# KiCad board RP2040-Breadstick Panel.kicad_pcb (continued)
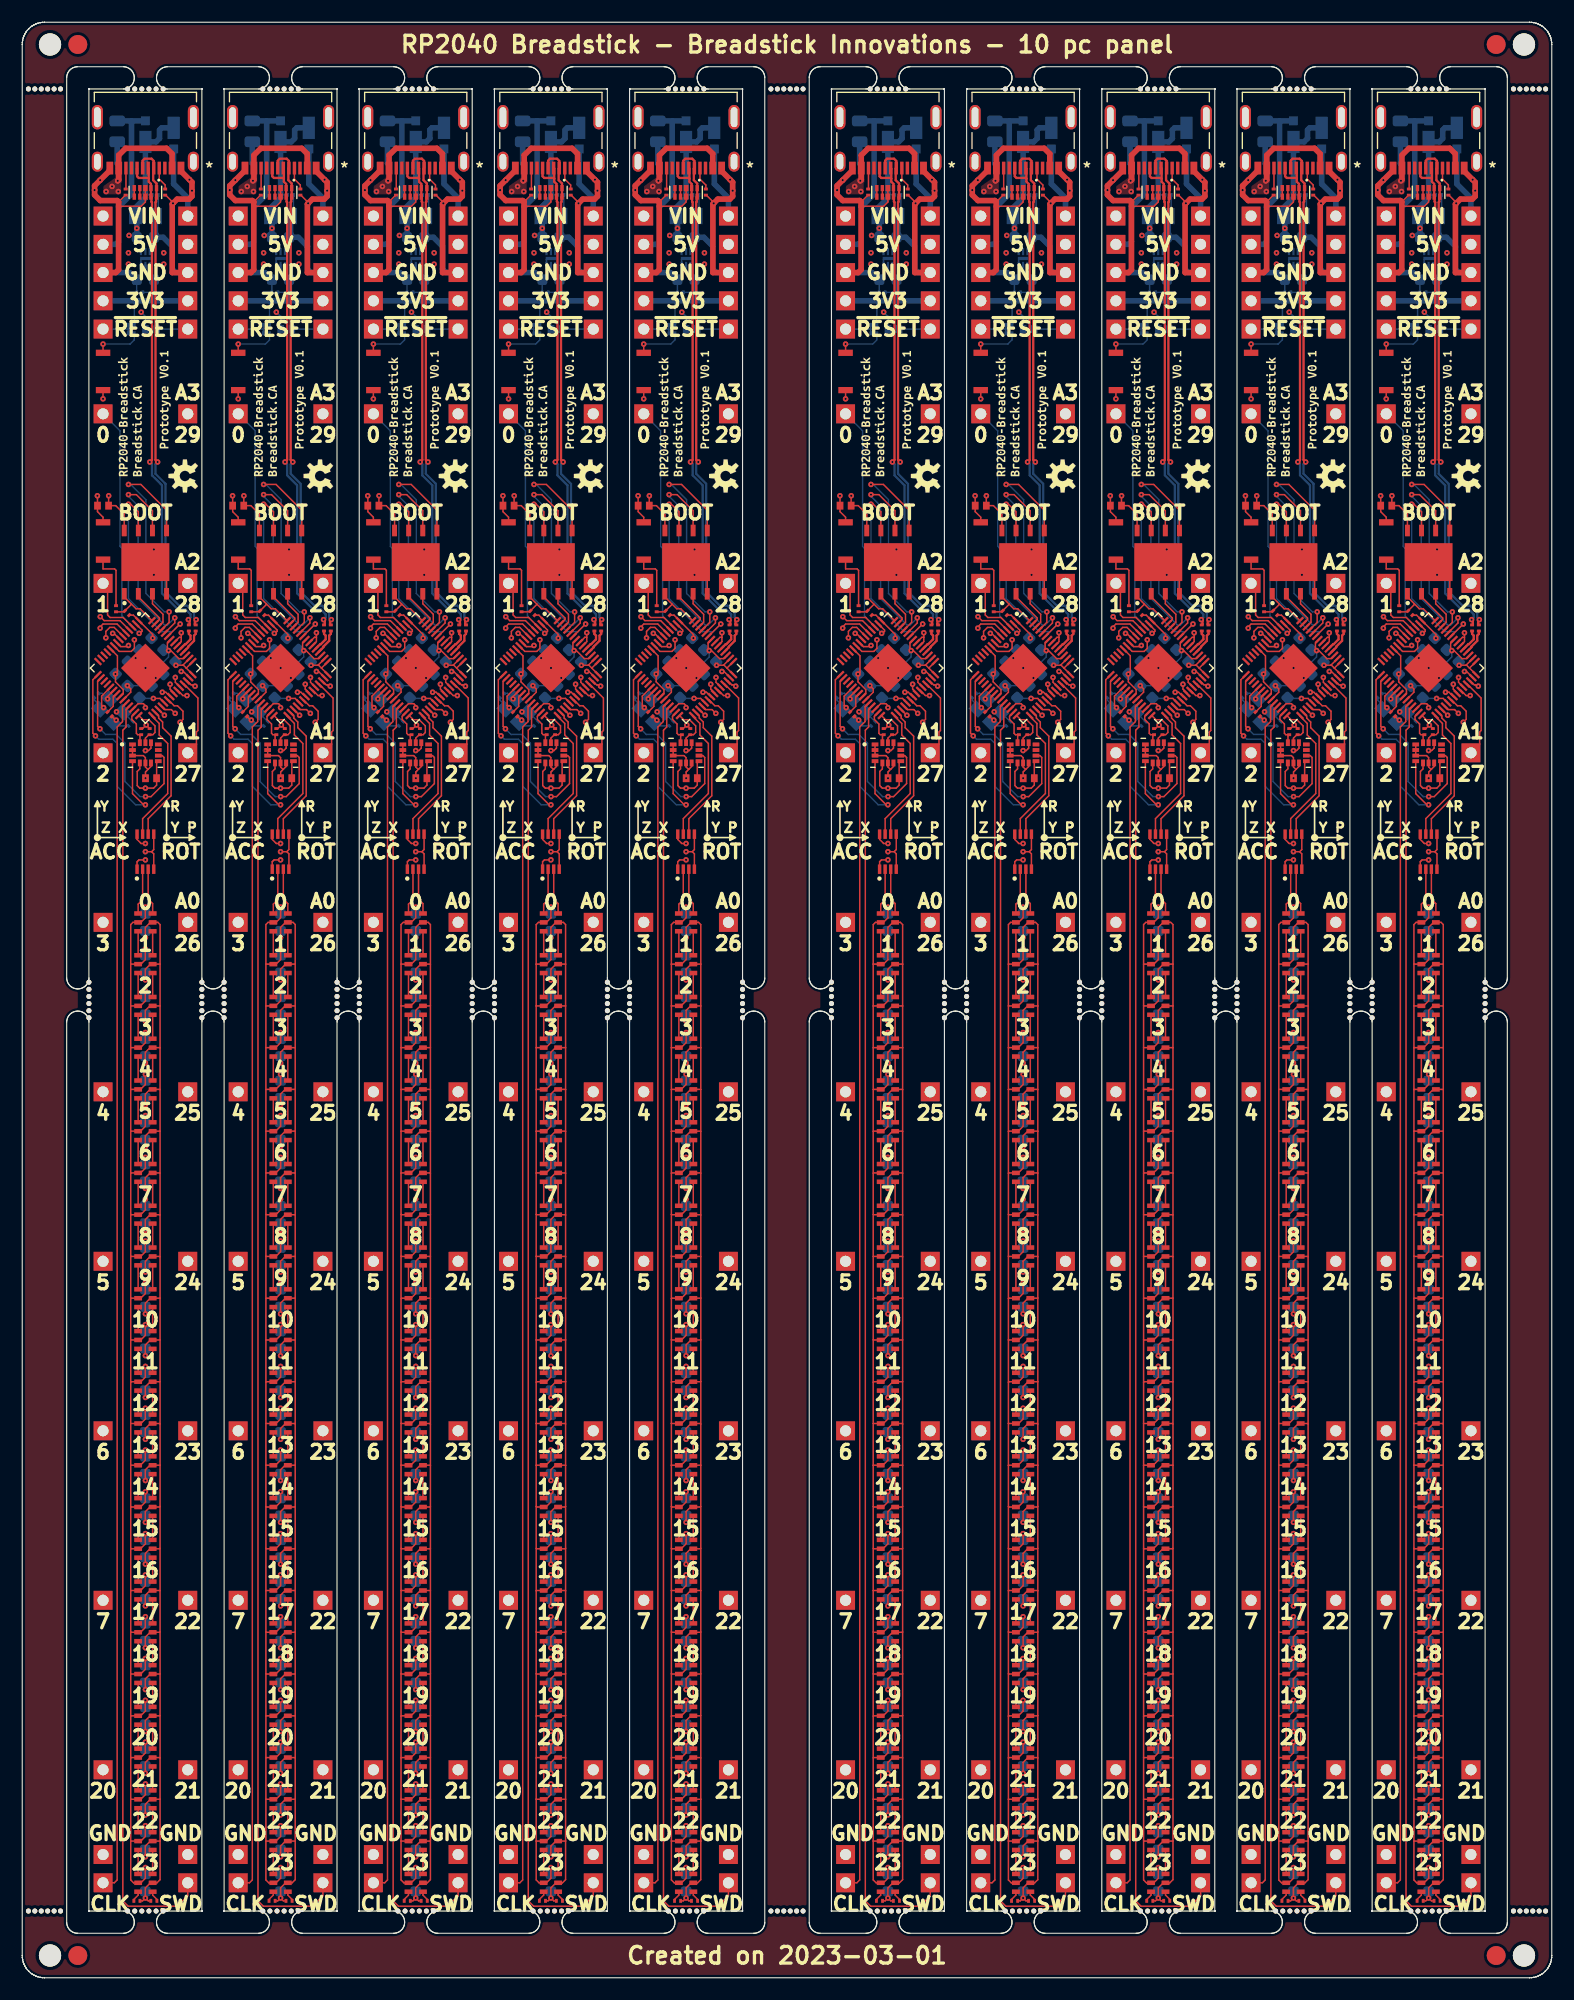
[diagram p0: board, top side]
## Nets (continued)
Board_2-SWD: J224#8.1 U201#8.25
Board_2-unconnected-(J221-PadA8): J221#3.A8
Board_2-unconnected-(J221-PadB8): J221#3.B8
Board_2-unconnected-(U201-Pad11): U201#8.11
Board_2-unconnected-(U201-Pad12): U201#8.12
Board_2-unconnected-(U201-Pad13): U201#8.13
Board_2-unconnected-(U201-Pad14): U201#8.14
Board_2-unconnected-(U201-Pad17): U201#8.17
Board_2-unconnected-(U201-Pad18): U201#8.18
Board_2-unconnected-(U401-Pad10): U401#3.10
Board_2-unconnected-(U401-Pad11): U401#3.11
Board_2-VBUS: F501#5.1 J221#3.A4/B9 J221#3.B4/A9
Board_2-VHI: C303#6.1 C304.1 C305#2.1 C306#9.1 C307#2.1 C308#6.1 C309#9.1 C310#9.1 C311#9.1 C312#9.1 C313#9.1 C314#3.1 C315#7.1 C316#4.1 C317#3.1 C318#7.1 C319#3.1 C320#8.1 C321#7.1 C322#3.1 C323#5.1 C324#3.1 C325#9.1 C326#6.1 C501#2.1 C502#6.1 D501#8.1 D502#10.1 IC301#9.1 LED301#4.5 LED302#10.5 LED303#2.5 LED304#4.5 LED305#7.5 LED306#8.5 LED307#2.5 LED308.5 LED309#9.5 LED310#9.5 LED311#7.5 LED312#5.5 LED313#8.5 LED314#4.5 LED315#7.5 LED316#3.5 LED317#4.5 LED318#6.5 LED319#2.5 LED320#7.5 LED321#4.5 LED322#6.5 LED323#8.5 LED324#9.5 R501#9.2 U501#7.4 U501#7.5 U501#7.6
Board_2-VIN: D501#8.2 J501#4.1 J502#10.1
Board_3-3V3_LDO: C205#7.1 C206#7.1 C210#2.1 C211#4.1 C216#7.1 C401#4.1 C503#4.1 IC301#6.8 J507.1 J508#4.1 R205#8.1 R208#9.1 R209#7.2 R210#8.2 R502#8.2 U201#2.1 U201#2.10 U201#2.22 U201#2.33 U201#2.42 U201#2.43 U201#2.44 U201#2.48 U201#2.49 U203#2.8 U401#4.5 U401#4.8 U401#4.12 U501#8.1 U501#8.2
Board_3-+1V1: C202#6.1 C204#8.1 U201#2.23 U201#2.45 U201#2.50
Board_3-/Addressable RGB LEDs/CLK: IC301#6.2 LED301.4
Board_3-/Addressable RGB LEDs/DATA: IC301#6.3 LED301.3
Board_3-/RP2040/ADC0: J220#6.1 U201#2.38
Board_3-/RP2040/ADC1: J219#4.1 U201#2.39
Board_3-/RP2040/ADC2: J218#10.1 U201#2.40
Board_3-/RP2040/ADC3: J217.1 U201#2.41
Board_3-/RP2040/D0: J205#4.1 U201#2.2
Board_3-/RP2040/D1: J206#8.1 U201#2.3
Board_3-/RP2040/D2: J207#2.1 U201#2.4
Board_3-/RP2040/D3: J208#10.1 U201#2.5
Board_3-/RP2040/D4: J209#10.1 U201#2.6
Board_3-/RP2040/D5: J210#10.1 U201#2.7
Board_3-/RP2040/D6: J211#4.1 U201#2.8
Board_3-/RP2040/D7: J212#7.1 U201#2.9
Board_3-/RP2040/D20: J204#8.1 U201#2.31
Board_3-/RP2040/D21: J203#6.1 U201#2.32
Board_3-/RP2040/D22: J213.1 U201#2.34
Board_3-/RP2040/D23: J214#7.1 U201#2.35
Board_3-/RP2040/D24: J215#2.1 U201#2.36
Board_3-/RP2040/D25: J202#7.1 U201#2.37
Board_3-/RP2040/MCU_QSPI_CSN: R204#4.2 R205#8.2 U201#2.56 U203#2.1
Board_3-/RP2040/MCU_QSPI_SCLK: U201#2.52 U203#2.6
Board_3-/RP2040/MCU_QSPI_SD0: U201#2.53 U203#2.5
Board_3-/RP2040/MCU_QSPI_SD1: U201#2.55 U203#2.2
Board_3-/RP2040/MCU_QSPI_SD2: U201#2.54 U203#2.3
Board_3-/RP2040/MCU_QSPI_SD3: U201#2.51 U203#2.7
Board_3-/RP2040/MCU_USB_D+: R203#3.1 U201#2.47
Board_3-/RP2040/MCU_USB_D-: R202#9.1 U201#2.46
Board_3-/RP2040/USB_D+: J221#8.A6 J221#8.B6 R203#3.2 U202#7.2 U202#7.9
Board_3-/RP2040/USB_D-: J221#8.A7 J221#8.B7 R202#9.2 U202#7.1 U202#7.10
Board_3-/RP2040/~{RESET}: C207#4.1 J201#5.1 J222#10.1 R208#9.2 R211#4.2 U201#2.26
Board_3-GND: C201#8.2 C202#6.2 C203#2.2 C204#8.2 C205#7.2 C206#7.2 C207#4.2 C210#2.2 C211#4.2 C216#7.2 C303#7.2 C304#10.2 C305#4.2 C306#10.2 C307#8.2 C308#8.2 C309#4.2 C310#6.2 C311#8.2 C312#7.2 C313#5.2 C314#8.2 C315#3.2 C316#2.2 C317.2 C318#10.2 C319#4.2 C320#9.2 C321#5.2 C322#7.2 C323#6.2 C324#8.2 C325#4.2 C326#5.2 C401#4.2 C501#8.2 C502#9.2 C503#4.2 IC301#6.4 IC301#6.5 J221#8.A1/B12 J221#8.B1/A12 J505#10.1 J506#8.1 J509#2.1 J510#7.1 LED301.2 LED302#7.2 LED303#7.2 LED304#8.2 LED305#5.2 LED306#3.2 LED307#4.2 LED308#2.2 LED309#8.2 LED310#8.2 LED311#8.2 LED312#4.2 LED313.2 LED314#8.2 LED315#9.2 LED316#5.2 LED317#6.2 LED318#7.2 LED319.2 LED320#5.2 LED321#5.2 LED322.2 LED323#10.2 LED324#8.2 R206#9.2 R207#2.2 R304#8.2 R305#2.2 R501#3.1 R502#8.1 SW201#9.1 SW202#7.1 U201#2.19 U201#2.57 U202#7.3 U202#7.8 U203#2.4 U203#2.9 U401#4.1 U401#4.2 U401#4.3 U401#4.6 U401#4.7 U501#8.3 U501#8.7 Y201#4.2 Y201#4.4
Board_3-IMU_INT1: U201#2.15 U401#4.4
Board_3-IMU_INT2: U201#2.16 U401#4.9
Board_3-IMU_SCL: R210#8.1 U201#2.28 U401#4.13
Board_3-IMU_SDA: R209#7.1 U201#2.27 U401#4.14
Board_3-LED_CLK: IC301#6.7 U201#2.29
Board_3-LED_DATA: IC301#6.6 U201#2.30
Board_3-Net-(C201-Pad1): C201#8.1 U201#2.20 Y201#4.1
Board_3-Net-(C203-Pad1): C203#2.1 R201#4.1 Y201#4.3
Board_3-Net-(J221-PadA5): J221#8.A5 R207#2.1
Board_3-Net-(J221-PadB5): J221#8.B5 R206#9.1
Board_3-Net-(LED301-Pad1): LED301.1 LED302#7.3
Board_3-Net-(LED301-Pad6): LED301.6 LED302#7.4
Board_3-Net-(LED302-Pad1): LED302#7.1 LED303#7.3
Board_3-Net-(LED302-Pad6): LED302#7.6 LED303#7.4
Board_3-Net-(LED303-Pad1): LED303#7.1 LED304#8.3
Board_3-Net-(LED303-Pad6): LED303#7.6 LED304#8.4
Board_3-Net-(LED304-Pad1): LED304#8.1 LED305#5.3
Board_3-Net-(LED304-Pad6): LED304#8.6 LED305#5.4
Board_3-Net-(LED305-Pad1): LED305#5.1 LED306#3.3
Board_3-Net-(LED305-Pad6): LED305#5.6 LED306#3.4
Board_3-Net-(LED306-Pad1): LED306#3.1 LED307#4.3
Board_3-Net-(LED306-Pad6): LED306#3.6 LED307#4.4
Board_3-Net-(LED307-Pad1): LED307#4.1 LED308#2.3
Board_3-Net-(LED307-Pad6): LED307#4.6 LED308#2.4
Board_3-Net-(LED308-Pad1): LED308#2.1 LED309#8.3
Board_3-Net-(LED308-Pad6): LED308#2.6 LED309#8.4
Board_3-Net-(LED309-Pad1): LED309#8.1 LED310#8.3
Board_3-Net-(LED309-Pad6): LED309#8.6 LED310#8.4
Board_3-Net-(LED310-Pad1): LED310#8.1 LED311#8.3
Board_3-Net-(LED310-Pad6): LED310#8.6 LED311#8.4
Board_3-Net-(LED311-Pad1): LED311#8.1 LED312#4.3
Board_3-Net-(LED311-Pad6): LED311#8.6 LED312#4.4
Board_3-Net-(LED312-Pad1): LED312#4.1 LED313.3
Board_3-Net-(LED312-Pad6): LED312#4.6 LED313.4
Board_3-Net-(LED313-Pad1): LED313.1 LED314#8.3
Board_3-Net-(LED313-Pad6): LED313.6 LED314#8.4
Board_3-Net-(LED314-Pad1): LED314#8.1 LED315#9.3
Board_3-Net-(LED314-Pad6): LED314#8.6 LED315#9.4
Board_3-Net-(LED315-Pad1): LED315#9.1 LED316#5.3
Board_3-Net-(LED315-Pad6): LED315#9.6 LED316#5.4
Board_3-Net-(LED316-Pad1): LED316#5.1 LED317#6.3
Board_3-Net-(LED316-Pad6): LED316#5.6 LED317#6.4
Board_3-Net-(LED317-Pad1): LED317#6.1 LED318#7.3
Board_3-Net-(LED317-Pad6): LED317#6.6 LED318#7.4
Board_3-Net-(LED318-Pad1): LED318#7.1 LED319.3
Board_3-Net-(LED318-Pad6): LED318#7.6 LED319.4
Board_3-Net-(LED319-Pad1): LED319.1 LED320#5.3
Board_3-Net-(LED319-Pad6): LED319.6 LED320#5.4
Board_3-Net-(LED320-Pad1): LED320#5.1 LED321#5.3
Board_3-Net-(LED320-Pad6): LED320#5.6 LED321#5.4
Board_3-Net-(LED321-Pad1): LED321#5.1 LED322.3
Board_3-Net-(LED321-Pad6): LED321#5.6 LED322.4
Board_3-Net-(LED322-Pad1): LED322.1 LED323#10.3
Board_3-Net-(LED322-Pad6): LED322.6 LED323#10.4
Board_3-Net-(LED323-Pad1): LED323#10.1 LED324#8.3
Board_3-Net-(LED323-Pad6): LED323#10.6 LED324#8.4
Board_3-Net-(LED324-Pad1): LED324#8.1 R305#2.1
Board_3-Net-(LED324-Pad6): LED324#8.6 R304#8.1
Board_3-Net-(R201-Pad2): R201#4.2 U201#2.21
Board_3-Net-(R204-Pad1): R204#4.1 SW201#9.2
Board_3-Net-(R211-Pad1): R211#4.1 SW202#7.2
Board_3-Net-(U202-Pad4): U202#7.4 U202#7.7
Board_3-Net-(U202-Pad5): U202#7.5 U202#7.6
Board_3-SWCLK: J223#5.1 U201#2.24
Board_3-SWD: J224.1 U201#2.25
Board_3-unconnected-(J221-PadA8): J221#8.A8
Board_3-unconnected-(J221-PadB8): J221#8.B8
Board_3-unconnected-(U201-Pad11): U201#2.11
Board_3-unconnected-(U201-Pad12): U201#2.12
Board_3-unconnected-(U201-Pad13): U201#2.13
Board_3-unconnected-(U201-Pad14): U201#2.14
Board_3-unconnected-(U201-Pad17): U201#2.17
Board_3-unconnected-(U201-Pad18): U201#2.18
Board_3-unconnected-(U401-Pad10): U401#4.10
Board_3-unconnected-(U401-Pad11): U401#4.11
Board_3-VBUS: F501.1 J221#8.A4/B9 J221#8.B4/A9
Board_3-VHI: C303#7.1 C304#10.1 C305#4.1 C306#10.1 C307#8.1 C308#8.1 C309#4.1 C310#6.1 C311#8.1 C312#7.1 C313#5.1 C314#8.1 C315#3.1 C316#2.1 C317.1 C318#10.1 C319#4.1 C320#9.1 C321#5.1 C322#7.1 C323#6.1 C324#8.1 C325#4.1 C326#5.1 C501#8.1 C502#9.1 D501#9.1 D502#8.1 IC301#6.1 LED301.5 LED302#7.5 LED303#7.5 LED304#8.5 LED305#5.5 LED306#3.5 LED307#4.5 LED308#2.5 LED309#8.5 LED310#8.5 LED311#8.5 LED312#4.5 LED313.5 LED314#8.5 LED315#9.5 LED316#5.5 LED317#6.5 LED318#7.5 LED319.5 LED320#5.5 LED321#5.5 LED322.5 LED323#10.5 LED324#8.5 R501#3.2 U501#8.4 U501#8.5 U501#8.6
Board_3-VIN: D501#9.2 J501#10.1 J502#5.1
Board_4-3V3_LDO: C205#2.1 C206#10.1 C210#4.1 C211#2.1 C216.1 C401#8.1 C503.1 IC301#5.8 J507#6.1 J508.1 R205.1 R208#5.1 R209#3.2 R210#4.2 R502.2 U201#10.1 U201#10.10 U201#10.22 U201#10.33 U201#10.42 U201#10.43 U201#10.44 U201#10.48 U201#10.49 U203#5.8 U401#9.5 U401#9.8 U401#9.12 U501#2.1 U501#2.2
Board_4-+1V1: C202.1 C204#9.1 U201#10.23 U201#10.45 U201#10.50
Board_4-/Addressable RGB LEDs/CLK: IC301#5.2 LED301#2.4
Board_4-/Addressable RGB LEDs/DATA: IC301#5.3 LED301#2.3
Board_4-/RP2040/ADC0: J220#2.1 U201#10.38
Board_4-/RP2040/ADC1: J219#10.1 U201#10.39
Board_4-/RP2040/ADC2: J218#9.1 U201#10.40
Board_4-/RP2040/ADC3: J217#2.1 U201#10.41
Board_4-/RP2040/D0: J205#8.1 U201#10.2
Board_4-/RP2040/D1: J206#9.1 U201#10.3
Board_4-/RP2040/D2: J207.1 U201#10.4
Board_4-/RP2040/D3: J208.1 U201#10.5
Board_4-/RP2040/D4: J209#2.1 U201#10.6
Board_4-/RP2040/D5: J210#8.1 U201#10.7
Board_4-/RP2040/D6: J211#8.1 U201#10.8
Board_4-/RP2040/D7: J212#6.1 U201#10.9
Board_4-/RP2040/D20: J204#10.1 U201#10.31
Board_4-/RP2040/D21: J203#7.1 U201#10.32
Board_4-/RP2040/D22: J213#7.1 U201#10.34
Board_4-/RP2040/D23: J214#2.1 U201#10.35
Board_4-/RP2040/D24: J215.1 U201#10.36
Board_4-/RP2040/D25: J202#10.1 U201#10.37
Board_4-/RP2040/MCU_QSPI_CSN: R204#6.2 R205.2 U201#10.56 U203#5.1
Board_4-/RP2040/MCU_QSPI_SCLK: U201#10.52 U203#5.6
Board_4-/RP2040/MCU_QSPI_SD0: U201#10.53 U203#5.5
Board_4-/RP2040/MCU_QSPI_SD1: U201#10.55 U203#5.2
Board_4-/RP2040/MCU_QSPI_SD2: U201#10.54 U203#5.3
Board_4-/RP2040/MCU_QSPI_SD3: U201#10.51 U203#5.7
Board_4-/RP2040/MCU_USB_D+: R203#5.1 U201#10.47
Board_4-/RP2040/MCU_USB_D-: R202#3.1 U201#10.46
Board_4-/RP2040/USB_D+: J221#6.A6 J221#6.B6 R203#5.2 U202.2 U202.9
Board_4-/RP2040/USB_D-: J221#6.A7 J221#6.B7 R202#3.2 U202.1 U202.10
Board_4-/RP2040/~{RESET}: C207#7.1 J201#4.1 J222#3.1 R208#5.2 R211#10.2 U201#10.26
Board_4-GND: C201#6.2 C202.2 C203#9.2 C204#9.2 C205#2.2 C206#10.2 C207#7.2 C210#4.2 C211#2.2 C216.2 C303#5.2 C304#3.2 C305#8.2 C306#4.2 C307#10.2 C308#4.2 C309.2 C310#3.2 C311#3.2 C312#6.2 C313#10.2 C314.2 C315#8.2 C316#3.2 C317#8.2 C318#2.2 C319#10.2 C320.2 C321#6.2 C322#9.2 C323#2.2 C324#9.2 C325#8.2 C326.2 C401#8.2 C501#10.2 C502#2.2 C503.2 IC301#5.4 IC301#5.5 J221#6.A1/B12 J221#6.B1/A12 J505#6.1 J506#9.1 J509#8.1 J510#2.1 LED301#2.2 LED302#2.2 LED303#6.2 LED304#2.2 LED305#10.2 LED306#10.2 LED307#3.2 LED308#3.2 LED309#4.2 LED310#5.2 LED311#3.2 LED312#10.2 LED313#6.2 LED314#10.2 LED315#6.2 LED316#4.2 LED317#5.2 LED318#9.2 LED319#8.2 LED320.2 LED321#3.2 LED322#2.2 LED323#9.2 LED324#2.2 R206#6.2 R207#6.2 R304.2 R305#5.2 R501#2.1 R502.1 SW201#10.1 SW202#4.1 U201#10.19 U201#10.57 U202.3 U202.8 U203#5.4 U203#5.9 U401#9.1 U401#9.2 U401#9.3 U401#9.6 U401#9.7 U501#2.3 U501#2.7 Y201#10.2 Y201#10.4
Board_4-IMU_INT1: U201#10.15 U401#9.4
Board_4-IMU_INT2: U201#10.16 U401#9.9
Board_4-IMU_SCL: R210#4.1 U201#10.28 U401#9.13
Board_4-IMU_SDA: R209#3.1 U201#10.27 U401#9.14
Board_4-LED_CLK: IC301#5.7 U201#10.29
Board_4-LED_DATA: IC301#5.6 U201#10.30
Board_4-Net-(C201-Pad1): C201#6.1 U201#10.20 Y201#10.1
Board_4-Net-(C203-Pad1): C203#9.1 R201.1 Y201#10.3
Board_4-Net-(J221-PadA5): J221#6.A5 R207#6.1
Board_4-Net-(J221-PadB5): J221#6.B5 R206#6.1
Board_4-Net-(LED301-Pad1): LED301#2.1 LED302#2.3
Board_4-Net-(LED301-Pad6): LED301#2.6 LED302#2.4
Board_4-Net-(LED302-Pad1): LED302#2.1 LED303#6.3
Board_4-Net-(LED302-Pad6): LED302#2.6 LED303#6.4
Board_4-Net-(LED303-Pad1): LED303#6.1 LED304#2.3
Board_4-Net-(LED303-Pad6): LED303#6.6 LED304#2.4
Board_4-Net-(LED304-Pad1): LED304#2.1 LED305#10.3
Board_4-Net-(LED304-Pad6): LED304#2.6 LED305#10.4
Board_4-Net-(LED305-Pad1): LED305#10.1 LED306#10.3
Board_4-Net-(LED305-Pad6): LED305#10.6 LED306#10.4
Board_4-Net-(LED306-Pad1): LED306#10.1 LED307#3.3
Board_4-Net-(LED306-Pad6): LED306#10.6 LED307#3.4
Board_4-Net-(LED307-Pad1): LED307#3.1 LED308#3.3
Board_4-Net-(LED307-Pad6): LED307#3.6 LED308#3.4
Board_4-Net-(LED308-Pad1): LED308#3.1 LED309#4.3
Board_4-Net-(LED308-Pad6): LED308#3.6 LED309#4.4
Board_4-Net-(LED309-Pad1): LED309#4.1 LED310#5.3
Board_4-Net-(LED309-Pad6): LED309#4.6 LED310#5.4
Board_4-Net-(LED310-Pad1): LED310#5.1 LED311#3.3
Board_4-Net-(LED310-Pad6): LED310#5.6 LED311#3.4
Board_4-Net-(LED311-Pad1): LED311#3.1 LED312#10.3
Board_4-Net-(LED311-Pad6): LED311#3.6 LED312#10.4
Board_4-Net-(LED312-Pad1): LED312#10.1 LED313#6.3
Board_4-Net-(LED312-Pad6): LED312#10.6 LED313#6.4
Board_4-Net-(LED313-Pad1): LED313#6.1 LED314#10.3
Board_4-Net-(LED313-Pad6): LED313#6.6 LED314#10.4
Board_4-Net-(LED314-Pad1): LED314#10.1 LED315#6.3
Board_4-Net-(LED314-Pad6): LED314#10.6 LED315#6.4
Board_4-Net-(LED315-Pad1): LED315#6.1 LED316#4.3
Board_4-Net-(LED315-Pad6): LED315#6.6 LED316#4.4
Board_4-Net-(LED316-Pad1): LED316#4.1 LED317#5.3
Board_4-Net-(LED316-Pad6): LED316#4.6 LED317#5.4
Board_4-Net-(LED317-Pad1): LED317#5.1 LED318#9.3
Board_4-Net-(LED317-Pad6): LED317#5.6 LED318#9.4
Board_4-Net-(LED318-Pad1): LED318#9.1 LED319#8.3
Board_4-Net-(LED318-Pad6): LED318#9.6 LED319#8.4
Board_4-Net-(LED319-Pad1): LED319#8.1 LED320.3
Board_4-Net-(LED319-Pad6): LED319#8.6 LED320.4
Board_4-Net-(LED320-Pad1): LED320.1 LED321#3.3
Board_4-Net-(LED320-Pad6): LED320.6 LED321#3.4
Board_4-Net-(LED321-Pad1): LED321#3.1 LED322#2.3
Board_4-Net-(LED321-Pad6): LED321#3.6 LED322#2.4
Board_4-Net-(LED322-Pad1): LED322#2.1 LED323#9.3
Board_4-Net-(LED322-Pad6): LED322#2.6 LED323#9.4
Board_4-Net-(LED323-Pad1): LED323#9.1 LED324#2.3
Board_4-Net-(LED323-Pad6): LED323#9.6 LED324#2.4
Board_4-Net-(LED324-Pad1): LED324#2.1 R305#5.1
Board_4-Net-(LED324-Pad6): LED324#2.6 R304.1
Board_4-Net-(R201-Pad2): R201.2 U201#10.21
Board_4-Net-(R204-Pad1): R204#6.1 SW201#10.2
Board_4-Net-(R211-Pad1): R211#10.1 SW202#4.2
Board_4-Net-(U202-Pad4): U202.4 U202.7
Board_4-Net-(U202-Pad5): U202.5 U202.6
Board_4-SWCLK: J223#4.1 U201#10.24
Board_4-SWD: J224#10.1 U201#10.25
Board_4-unconnected-(J221-PadA8): J221#6.A8
Board_4-unconnected-(J221-PadB8): J221#6.B8
Board_4-unconnected-(U201-Pad11): U201#10.11
Board_4-unconnected-(U201-Pad12): U201#10.12
Board_4-unconnected-(U201-Pad13): U201#10.13
Board_4-unconnected-(U201-Pad14): U201#10.14
Board_4-unconnected-(U201-Pad17): U201#10.17
Board_4-unconnected-(U201-Pad18): U201#10.18
Board_4-unconnected-(U401-Pad10): U401#9.10
Board_4-unconnected-(U401-Pad11): U401#9.11
Board_4-VBUS: F501#8.1 J221#6.A4/B9 J221#6.B4/A9
Board_4-VHI: C303#5.1 C304#3.1 C305#8.1 C306#4.1 C307#10.1 C308#4.1 C309.1 C310#3.1 C311#3.1 C312#6.1 C313#10.1 C314.1 C315#8.1 C316#3.1 C317#8.1 C318#2.1 C319#10.1 C320.1 C321#6.1 C322#9.1 C323#2.1 C324#9.1 C325#8.1 C326.1 C501#10.1 C502#2.1 D501#10.1 D502#5.1 IC301#5.1 LED301#2.5 LED302#2.5 LED303#6.5 LED304#2.5 LED305#10.5 LED306#10.5 LED307#3.5 LED308#3.5 LED309#4.5 LED310#5.5 LED311#3.5 LED312#10.5 LED313#6.5 LED314#10.5 LED315#6.5 LED316#4.5 LED317#5.5 LED318#9.5 LED319#8.5 LED320.5 LED321#3.5 LED322#2.5 LED323#9.5 LED324#2.5 R501#2.2 U501#2.4 U501#2.5 U501#2.6
Board_4-VIN: D501#10.2 J501#7.1 J502#6.1
Board_5-3V3_LDO: C205#10.1 C206#3.1 C210#3.1 C211#10.1 C216#4.1 C401.1 C503#7.1 IC301#8.8 J507#3.1 J508#3.1 R205#2.1 R208#8.1 R209#2.2 R210#9.2 R502#4.2 U201#7.1 U201#7.10 U201#7.22 U201#7.33 U201#7.42 U201#7.43 U201#7.44 U201#7.48 U201#7.49 U203#9.8 U401.5 U401.8 U401.12 U501#5.1 U501#5.2
Board_5-+1V1: C202#10.1 C204#2.1 U201#7.23 U201#7.45 U201#7.50
Board_5-/Addressable RGB LEDs/CLK: IC301#8.2 LED301#9.4
Board_5-/Addressable RGB LEDs/DATA: IC301#8.3 LED301#9.3
Board_5-/RP2040/ADC0: J220#9.1 U201#7.38
Board_5-/RP2040/ADC1: J219#5.1 U201#7.39
Board_5-/RP2040/ADC2: J218#7.1 U201#7.40
Board_5-/RP2040/ADC3: J217#8.1 U201#7.41
Board_5-/RP2040/D0: J205.1 U201#7.2
Board_5-/RP2040/D1: J206#10.1 U201#7.3
Board_5-/RP2040/D2: J207#6.1 U201#7.4
Board_5-/RP2040/D3: J208#8.1 U201#7.5
Board_5-/RP2040/D4: J209#8.1 U201#7.6
Board_5-/RP2040/D5: J210.1 U201#7.7
Board_5-/RP2040/D6: J211#9.1 U201#7.8
Board_5-/RP2040/D7: J212#10.1 U201#7.9
Board_5-/RP2040/D20: J204#4.1 U201#7.31
Board_5-/RP2040/D21: J203#2.1 U201#7.32
Board_5-/RP2040/D22: J213#10.1 U201#7.34
Board_5-/RP2040/D23: J214#9.1 U201#7.35
Board_5-/RP2040/D24: J215#7.1 U201#7.36
Board_5-/RP2040/D25: J202#9.1 U201#7.37
Board_5-/RP2040/MCU_QSPI_CSN: R204#2.2 R205#2.2 U201#7.56 U203#9.1
Board_5-/RP2040/MCU_QSPI_SCLK: U201#7.52 U203#9.6
Board_5-/RP2040/MCU_QSPI_SD0: U201#7.53 U203#9.5
Board_5-/RP2040/MCU_QSPI_SD1: U201#7.55 U203#9.2
Board_5-/RP2040/MCU_QSPI_SD2: U201#7.54 U203#9.3
Board_5-/RP2040/MCU_QSPI_SD3: U201#7.51 U203#9.7
Board_5-/RP2040/MCU_USB_D+: R203#6.1 U201#7.47
Board_5-/RP2040/MCU_USB_D-: R202#7.1 U201#7.46
Board_5-/RP2040/USB_D+: J221#9.A6 J221#9.B6 R203#6.2 U202#9.2 U202#9.9
Board_5-/RP2040/USB_D-: J221#9.A7 J221#9.B7 R202#7.2 U202#9.1 U202#9.10
Board_5-/RP2040/~{RESET}: C207#9.1 J201#2.1 J222.1 R208#8.2 R211#2.2 U201#7.26
Board_5-GND: C201#5.2 C202#10.2 C203#3.2 C204#2.2 C205#10.2 C206#3.2 C207#9.2 C210#3.2 C211#10.2 C216#4.2 C303#8.2 C304#9.2 C305#7.2 C306#7.2 C307#5.2 C308#3.2 C309#7.2 C310#5.2 C311.2 C312#10.2 C313#3.2 C314#10.2 C315#9.2 C316.2 C317#9.2 C318.2 C319#8.2 C320#2.2 C321.2 C322#10.2 C323#3.2 C324#10.2 C325#3.2 C326#2.2 C401.2 C501#7.2 C502#10.2 C503#7.2 IC301#8.4 IC301#8.5 J221#9.A1/B12 J221#9.B1/A12 J505#7.1 J506#2.1 J509#7.1 J510#10.1 LED301#9.2 LED302#8.2 LED303#3.2 LED304.2 LED305#2.2 LED306#4.2 LED307#9.2 LED308#6.2 LED309#3.2 LED310#6.2 LED311.2 LED312#3.2 LED313#9.2 LED314#3.2 LED315#8.2 LED316#2.2 LED317#3.2 LED318#4.2 LED319#7.2 LED320#2.2 LED321.2 LED322#5.2 LED323#2.2 LED324#6.2 R206#8.2 R207#5.2 R304#2.2 R305#3.2 R501.1 R502#4.1 SW201.1 SW202#3.1 U201#7.19 U201#7.57 U202#9.3 U202#9.8 U203#9.4 U203#9.9 U401.1 U401.2 U401.3 U401.6 U401.7 U501#5.3 U501#5.7 Y201#7.2 Y201#7.4
Board_5-IMU_INT1: U201#7.15 U401.4
Board_5-IMU_INT2: U201#7.16 U401.9
Board_5-IMU_SCL: R210#9.1 U201#7.28 U401.13
Board_5-IMU_SDA: R209#2.1 U201#7.27 U401.14
Board_5-LED_CLK: IC301#8.7 U201#7.29
Board_5-LED_DATA: IC301#8.6 U201#7.30
Board_5-Net-(C201-Pad1): C201#5.1 U201#7.20 Y201#7.1
Board_5-Net-(C203-Pad1): C203#3.1 R201#7.1 Y201#7.3
Board_5-Net-(J221-PadA5): J221#9.A5 R207#5.1
Board_5-Net-(J221-PadB5): J221#9.B5 R206#8.1
Board_5-Net-(LED301-Pad1): LED301#9.1 LED302#8.3
Board_5-Net-(LED301-Pad6): LED301#9.6 LED302#8.4
Board_5-Net-(LED302-Pad1): LED302#8.1 LED303#3.3
Board_5-Net-(LED302-Pad6): LED302#8.6 LED303#3.4
Board_5-Net-(LED303-Pad1): LED303#3.1 LED304.3
Board_5-Net-(LED303-Pad6): LED303#3.6 LED304.4
Board_5-Net-(LED304-Pad1): LED304.1 LED305#2.3
Board_5-Net-(LED304-Pad6): LED304.6 LED305#2.4
Board_5-Net-(LED305-Pad1): LED305#2.1 LED306#4.3
Board_5-Net-(LED305-Pad6): LED305#2.6 LED306#4.4
Board_5-Net-(LED306-Pad1): LED306#4.1 LED307#9.3
Board_5-Net-(LED306-Pad6): LED306#4.6 LED307#9.4
Board_5-Net-(LED307-Pad1): LED307#9.1 LED308#6.3
Board_5-Net-(LED307-Pad6): LED307#9.6 LED308#6.4
Board_5-Net-(LED308-Pad1): LED308#6.1 LED309#3.3
Board_5-Net-(LED308-Pad6): LED308#6.6 LED309#3.4
Board_5-Net-(LED309-Pad1): LED309#3.1 LED310#6.3
Board_5-Net-(LED309-Pad6): LED309#3.6 LED310#6.4
Board_5-Net-(LED310-Pad1): LED310#6.1 LED311.3
Board_5-Net-(LED310-Pad6): LED310#6.6 LED311.4
Board_5-Net-(LED311-Pad1): LED311.1 LED312#3.3
Board_5-Net-(LED311-Pad6): LED311.6 LED312#3.4
Board_5-Net-(LED312-Pad1): LED312#3.1 LED313#9.3
Board_5-Net-(LED312-Pad6): LED312#3.6 LED313#9.4
Board_5-Net-(LED313-Pad1): LED313#9.1 LED314#3.3
Board_5-Net-(LED313-Pad6): LED313#9.6 LED314#3.4
Board_5-Net-(LED314-Pad1): LED314#3.1 LED315#8.3
Board_5-Net-(LED314-Pad6): LED314#3.6 LED315#8.4
Board_5-Net-(LED315-Pad1): LED315#8.1 LED316#2.3
Board_5-Net-(LED315-Pad6): LED315#8.6 LED316#2.4
Board_5-Net-(LED316-Pad1): LED316#2.1 LED317#3.3
Board_5-Net-(LED316-Pad6): LED316#2.6 LED317#3.4
Board_5-Net-(LED317-Pad1): LED317#3.1 LED318#4.3
Board_5-Net-(LED317-Pad6): LED317#3.6 LED318#4.4
Board_5-Net-(LED318-Pad1): LED318#4.1 LED319#7.3
Board_5-Net-(LED318-Pad6): LED318#4.6 LED319#7.4
Board_5-Net-(LED319-Pad1): LED319#7.1 LED320#2.3
Board_5-Net-(LED319-Pad6): LED319#7.6 LED320#2.4
Board_5-Net-(LED320-Pad1): LED320#2.1 LED321.3
Board_5-Net-(LED320-Pad6): LED320#2.6 LED321.4
Board_5-Net-(LED321-Pad1): LED321.1 LED322#5.3
Board_5-Net-(LED321-Pad6): LED321.6 LED322#5.4
Board_5-Net-(LED322-Pad1): LED322#5.1 LED323#2.3
Board_5-Net-(LED322-Pad6): LED322#5.6 LED323#2.4
Board_5-Net-(LED323-Pad1): LED323#2.1 LED324#6.3
Board_5-Net-(LED323-Pad6): LED323#2.6 LED324#6.4
Board_5-Net-(LED324-Pad1): LED324#6.1 R305#3.1
Board_5-Net-(LED324-Pad6): LED324#6.6 R304#2.1
Board_5-Net-(R201-Pad2): R201#7.2 U201#7.21
Board_5-Net-(R204-Pad1): R204#2.1 SW201.2
Board_5-Net-(R211-Pad1): R211#2.1 SW202#3.2
Board_5-Net-(U202-Pad4): U202#9.4 U202#9.7
Board_5-Net-(U202-Pad5): U202#9.5 U202#9.6
Board_5-SWCLK: J223#6.1 U201#7.24
Board_5-SWD: J224#5.1 U201#7.25
Board_5-unconnected-(J221-PadA8): J221#9.A8
Board_5-unconnected-(J221-PadB8): J221#9.B8
Board_5-unconnected-(U201-Pad11): U201#7.11
Board_5-unconnected-(U201-Pad12): U201#7.12
Board_5-unconnected-(U201-Pad13): U201#7.13
Board_5-unconnected-(U201-Pad14): U201#7.14
Board_5-unconnected-(U201-Pad17): U201#7.17
Board_5-unconnected-(U201-Pad18): U201#7.18
Board_5-unconnected-(U401-Pad10): U401.10
Board_5-unconnected-(U401-Pad11): U401.11
Board_5-VBUS: F501#3.1 J221#9.A4/B9 J221#9.B4/A9
Board_5-VHI: C303#8.1 C304#9.1 C305#7.1 C306#7.1 C307#5.1 C308#3.1 C309#7.1 C310#5.1 C311.1 C312#10.1 C313#3.1 C314#10.1 C315#9.1 C316.1 C317#9.1 C318.1 C319#8.1 C320#2.1 C321.1 C322#10.1 C323#3.1 C324#10.1 C325#3.1 C326#2.1 C501#7.1 C502#10.1 D501.1 D502#7.1 IC301#8.1 LED301#9.5 LED302#8.5 LED303#3.5 LED304.5 LED305#2.5 LED306#4.5 LED307#9.5 LED308#6.5 LED309#3.5 LED310#6.5 LED311.5 LED312#3.5 LED313#9.5 LED314#3.5 LED315#8.5 LED316#2.5 LED317#3.5 LED318#4.5 LED319#7.5 LED320#2.5 LED321.5 LED322#5.5 LED323#2.5 LED324#6.5 R501.2 U501#5.4 U501#5.5 U501#5.6
Board_5-VIN: D501.2 J501#3.1 J502#4.1
Board_6-3V3_LDO: C205#3.1 C206#6.1 C210#7.1 C211#7.1 C216#3.1 C401#10.1 C503#10.1 IC301.8 J507#9.1 J508#5.1 R205#6.1 R208.1 R209#4.2 R210#2.2 R502#10.2 U201#6.1 U201#6.10 U201#6.22 U201#6.33 U201#6.42 U201#6.43 U201#6.44 U201#6.48 U201#6.49 U203.8 U401#5.5 U401#5.8 U401#5.12 U501#4.1 U501#4.2
Board_6-+1V1: C202#2.1 C204#4.1 U201#6.23 U201#6.45 U201#6.50
Board_6-/Addressable RGB LEDs/CLK: IC301.2 LED301#8.4
Board_6-/Addressable RGB LEDs/DATA: IC301.3 LED301#8.3
Board_6-/RP2040/ADC0: J220#3.1 U201#6.38
Board_6-/RP2040/ADC1: J219#9.1 U201#6.39
Board_6-/RP2040/ADC2: J218.1 U201#6.40
Board_6-/RP2040/ADC3: J217#6.1 U201#6.41
Board_6-/RP2040/D0: J205#2.1 U201#6.2
Board_6-/RP2040/D1: J206#6.1 U201#6.3
Board_6-/RP2040/D2: J207#10.1 U201#6.4
Board_6-/RP2040/D3: J208#9.1 U201#6.5
Board_6-/RP2040/D4: J209#7.1 U201#6.6
Board_6-/RP2040/D5: J210#4.1 U201#6.7
Board_6-/RP2040/D6: J211#5.1 U201#6.8
Board_6-/RP2040/D7: J212#8.1 U201#6.9
Board_6-/RP2040/D20: J204#3.1 U201#6.31
Board_6-/RP2040/D21: J203#4.1 U201#6.32
Board_6-/RP2040/D22: J213#3.1 U201#6.34
Board_6-/RP2040/D23: J214#4.1 U201#6.35
Board_6-/RP2040/D24: J215#10.1 U201#6.36
Board_6-/RP2040/D25: J202#3.1 U201#6.37
Board_6-/RP2040/MCU_QSPI_CSN: R204.2 R205#6.2 U201#6.56 U203.1
Board_6-/RP2040/MCU_QSPI_SCLK: U201#6.52 U203.6
Board_6-/RP2040/MCU_QSPI_SD0: U201#6.53 U203.5
Board_6-/RP2040/MCU_QSPI_SD1: U201#6.55 U203.2
Board_6-/RP2040/MCU_QSPI_SD2: U201#6.54 U203.3
Board_6-/RP2040/MCU_QSPI_SD3: U201#6.51 U203.7
Board_6-/RP2040/MCU_USB_D+: R203#7.1 U201#6.47
Board_6-/RP2040/MCU_USB_D-: R202#2.1 U201#6.46
Board_6-/RP2040/USB_D+: J221#2.A6 J221#2.B6 R203#7.2 U202#4.2 U202#4.9
Board_6-/RP2040/USB_D-: J221#2.A7 J221#2.B7 R202#2.2 U202#4.1 U202#4.10
Board_6-/RP2040/~{RESET}: C207#10.1 J201#8.1 J222#9.1 R208.2 R211#8.2 U201#6.26
Board_6-GND: C201#3.2 C202#2.2 C203#8.2 C204#4.2 C205#3.2 C206#6.2 C207#10.2 C210#7.2 C211#7.2 C216#3.2 C303#9.2 C304#4.2 C305.2 C306#6.2 C307#6.2 C308.2 C309#8.2 C310#10.2 C311#4.2 C312.2 C313#4.2 C314#2.2 C315#6.2 C316#7.2 C317#10.2 C318#4.2 C319#2.2 C320#10.2 C321#2.2 C322#8.2 C323#7.2 C324.2 C325#2.2 C326#10.2 C401#10.2 C501#5.2 C502.2 C503#10.2 IC301.4 IC301.5 J221#2.A1/B12 J221#2.B1/A12 J505.1 J506.1 J509#10.1 J510#3.1 LED301#8.2 LED302.2 LED303#4.2 LED304#5.2 LED305#8.2 LED306#2.2 LED307.2 LED308#8.2 LED309#2.2 LED310#4.2 LED311#9.2 LED312#8.2 LED313#4.2 LED314#2.2 LED315#2.2 LED316#9.2 LED317#8.2 LED318#3.2 LED319#3.2 LED320#9.2 LED321#9.2 LED322#10.2 LED323.2 LED324#7.2 R206.2 R207.2 R304#7.2 R305.2 R501#7.1 R502#10.1 SW201#2.1 SW202.1 U201#6.19 U201#6.57 U202#4.3 U202#4.8 U203.4 U203.9 U401#5.1 U401#5.2 U401#5.3 U401#5.6 U401#5.7 U501#4.3 U501#4.7 Y201#6.2 Y201#6.4
Board_6-IMU_INT1: U201#6.15 U401#5.4
Board_6-IMU_INT2: U201#6.16 U401#5.9
Board_6-IMU_SCL: R210#2.1 U201#6.28 U401#5.13
Board_6-IMU_SDA: R209#4.1 U201#6.27 U401#5.14
Board_6-LED_CLK: IC301.7 U201#6.29
Board_6-LED_DATA: IC301.6 U201#6.30
Board_6-Net-(C201-Pad1): C201#3.1 U201#6.20 Y201#6.1
Board_6-Net-(C203-Pad1): C203#8.1 R201#6.1 Y201#6.3
Board_6-Net-(J221-PadA5): J221#2.A5 R207.1
Board_6-Net-(J221-PadB5): J221#2.B5 R206.1
Board_6-Net-(LED301-Pad1): LED301#8.1 LED302.3
Board_6-Net-(LED301-Pad6): LED301#8.6 LED302.4
Board_6-Net-(LED302-Pad1): LED302.1 LED303#4.3
